# Altium PCB PCB1.PcbDoc (part 1 of 2) (continued)
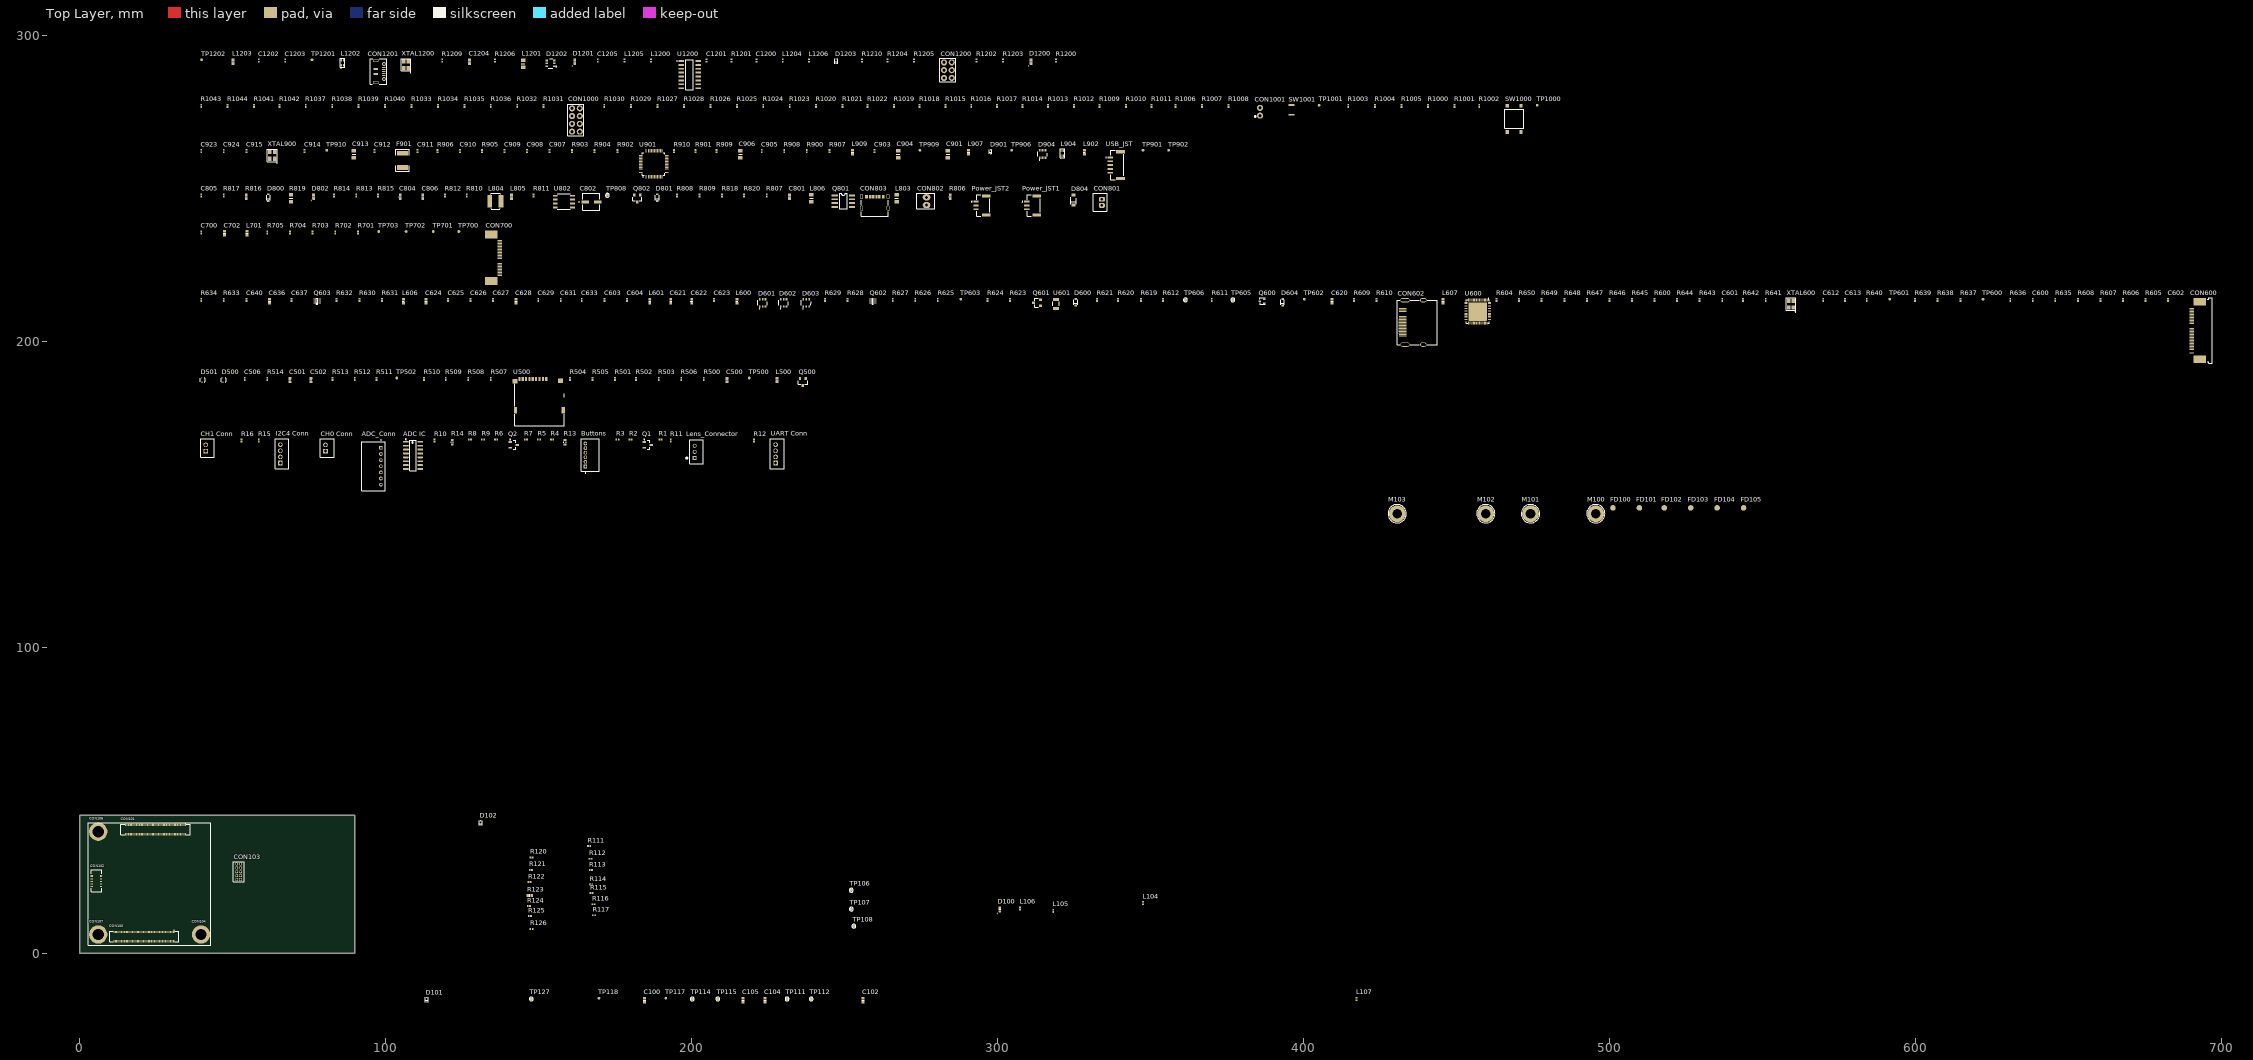
[diagram p0: Top Layer view]
## Components (designator, comment, footprint, x,y, rotation, side; value= is the part's Value field where it differs from the comment)
"ADC IC" "MCP3208-BI/SL" SOIC-SL16_L 108.966,162.687 r0 top
ADC_Conn "S7B-PH-K-S(LF)(SN)" FP-S7B-PH-K-S_LF_SN-MFG 96.012,159.131 r90 top
Buttons "S6B-ZR(LF)(SN)" FP-S6B-ZR_LF_SN-MFG 166.878,162.814 r90 top
C100 "1uF" 0603_CC 184.56,-15.303 r90 top
C102 "22UF 10V 0603" 0603_CC 255.934,-15.303 r90 top
C104 "22UF 10V 0603" 0603_CC 223.93,-15.303 r90 top
C105 "22UF 10V 0603" 0603_CC 216.818,-15.303 r90 top
C500 "1uF" 0603_CC 211.582,187.325 r90 top
C501 "10uF" 0603_CC 68.707,187.325 r90 top
C502 "1uF" 0603_CC 75.565,187.325 r90 top
C506 "22pF" 0402_CC 53.975,187.706 r90 top
C600 "0.1uF" 0402_CC 638.175,213.487 r90 top
C601 "0.1uF" 0402_CC 536.702,213.487 r90 top
C602 "0.1uF" 0402_CC 682.371,213.487 r90 top
C603 "0.1uF" 0402_CC 171.45,213.487 r90 top
C604 "0.1uF" 0402_CC 178.816,213.487 r90 top
C612 "18pF" 0402_CC 569.722,213.487 r90 top
C613 "18pF" 0402_CC 576.834,213.487 r90 top
C620 "22nF %5" 0603_CC 409.194,213.106 r90 top
C621 "10uF" 0603_CC 193.167,213.106 r90 top
C622 "10uF" 0603_CC 200.025,213.106 r90 top
C623 "0.1uF" 0402_CC 207.264,213.487 r90 top
C624 "10uF" 0603_CC 113.157,213.106 r90 top
C625 "0.1uF" 0402_CC 120.396,213.487 r90 top
C626 "0.1uF" 0402_CC 127.762,213.487 r90 top
C627 "0.1uF" 0402_CC 135.128,213.487 r90 top
C628 "10uF" 0603_CC 142.621,213.106 r90 top
C629 "0.1uF" 0402_CC 149.86,213.487 r90 top
C631 "0.1uF" 0402_CC 157.226,213.487 r90 top
C633 "0.1uF" 0402_CC 164.084,213.487 r90 top
C636 "10uF" 0603_CC 62.103,213.106 r90 top
C637 "0.1uF" 0402_CC 69.215,213.487 r90 top
C640 "0.1uF" 0402_CC 54.483,213.487 r90 top
C700 "0.1uF" 0402_CC 39.751,235.585 r90 top
C702 "10uF" 0603_CC 47.371,235.204 r90 top
C801 "22UF 10V 0603" 0603_CC 232.029,247.269 r90 top
C802 "100UF" UWR1A101MCL1GB 167.386,245.491 r0 top
C804 "22UF 10V 0603" 0603_CC 104.775,247.269 r90 top
C805 "6800PF 50V 0402" 0402_CC 39.751,247.65 r90 top
C806 "22UF 10V 0603" 0603_CC 112.141,247.269 r90 top
C901 "10UF" 0805 283.718,261.112 r90 top
C903 "0.1uF" 0402_CC 259.715,262.128 r90 top
C904 "10UF" 0805 267.462,261.112 r90 top
C905 "0.1uF" 0402_CC 222.885,262.128 r90 top
C906 "10UF" 0805 215.9,261.112 r90 top
C907 "0.1uF" 0402_CC 153.543,262.128 r90 top
C908 "0.1uF" 0402_CC 146.177,262.128 r90 top
C909 "100PF" 0402_CC 138.811,262.128 r90 top
C910 "0.1uF" 0402_CC 124.333,262.128 r90 top
C911 "0.1uF" 0402_CC 110.363,262.128 r90 top
C912 "0.1uF" 0402_CC 96.393,262.128 r90 top
C913 "10UF" 0805 89.662,261.112 r90 top
C914 "0.1uF" 0402_CC 73.533,262.128 r90 top
C915 "100PF" 0402_CC 54.483,262.128 r90 top
C923 "18PF-NF" 0402_CC 39.751,262.128 r90 top
C924 "18PF-NF" 0402_CC 47.117,262.128 r90 top
C1200 "0.1uF" 0402_CC 221.107,291.719 r90 top
C1201 "0.1uF" 0402_CC 204.851,291.719 r90 top
C1202 "18PF" 0402_CC 58.547,291.719 r90 top
C1203 "18PF" 0402_CC 67.183,291.719 r90 top
C1204 "1uF" 0603_CC 127.381,291.338 r90 top
C1205 "0.1uF" 0402_CC 169.291,291.719 r90 top
"CH0 Conn" "B2B-PH-K-S(LF)(SN)" JST-B2B-PH-K-S_V 80.899,165.1 r90 top
"CH1 Conn" "B2B-PH-K-S(LF)(SN)" JST-B2B-PH-K-S_V 41.783,165.1 r90 top
CON100 "100POS" "DF40C-100DS- FEMALE" 21.1,5.46 r180 top
CON101 "100POS" "DF40C-100DS- FEMALE" 24.8,40.46 r180 top locked
CON102 "2X10 POS" DF40C-20DS-0.4V(51) 5.5,23.659 r180 top
CON103 "2x5 SMD" "HEADER 2X5 1.27MM THD" 51.35,24.11 r90 top
CON104 "2.5MM" 9774030151R 39.696,6.152 r180 top locked
CON106 "2.5MM" 9774030151R 6.096,39.751 r180 top
CON107 "2.5MM" 9774030151R 6.096,6.152 r180 top
CON600 "CONN FFC TOP 30POS 0.50MM R/A" CON-SFV30R-2STBE1HLF 690.118,196.215 r90 top
CON602 "HDMI TYPE A" CON-L-KLS1-285-1-N-1 433.07,198.882 r90 top
CON700 "24PIN" "24-PIN FPC" 136.652,227.203 r90 top
CON801 "CON-B2B-PH-K-S(LF)(SN)" B2B-PH-K-S 334.01,244.348 r90 top
CON802 "2 PIN" 640456-2 276.733,244.475 r90 top
CON803 "C TYPE, POWER" CUI_UJC-HP-3-SMT-TR 259.842,245.364 r0 top
CON1000 "2x4" "HEADER 2.54 X 4x2" 163.449,268.478 r90 top
CON1001 "2x1" "HEADER 1X2 2.54mm" 385.699,276.225 r90 top
CON1200 "2x3" "HEADER 2.54 X 3x2" 282.448,286.004 r90 top
CON1201 "CON-KLS1-238-0-0-0-R" KLS1-238-0-0-0-R 99.441,290.576 r90 top
D100 "GREEN" 0603_LED 300.676,14.319 r90 top
D101 "DIODE-RB520S30T1G" SOD523 113.44,-15.176 r90 top
D102 "DIODE-RB520S30T1G" SOD523 131.05,42.6 r90 top
D500 "DIODE-DF5A6.2LJE,LM" DF5A6.2LJE,LM 47.117,187.325 r90 top
D501 "DIODE-DF5A6.2LJE,LM" DF5A6.2LJE,LM 40.259,187.325 r90 top
D600 "DIODE" SOD-323 325.501,212.725 r90 top
D601 "DT1042-04SOQ-7" DIODE-DT1042-04SOQ-7 223.393,212.471 r0 top
D602 "DT1042-04SOQ-7" DIODE-DT1042-04SOQ-7 230.251,212.471 r0 top
D603 "DT1042-04SOQ-7" DIODE-DT1042-04SOQ-7 237.617,212.471 r0 top
D604 "DIODE" SOD-323 393.065,212.725 r90 top
D800 "5.2V ZENER" SOD-323 61.722,246.888 r90 top
D801 "15V" SOD-323 188.722,246.888 r90 top
D802 "GREEN" 0603_LED 76.454,247.269 r90 top
D804 "MMSZ5231BT1G" SOD-123 324.739,246.126 r90 top
D901 "ESD5B5.0ST1G" "SOD523 - SZESD" 297.688,261.874 r90 top
D904 "DT1042-04SOQ-7" DIODE-DT1042-04SOQ-7 314.833,261.112 r0 top
D1200 "GREEN" 0603_LED 310.896,291.338 r90 top
D1201 "GREEN" 0603_LED 161.798,291.338 r90 top
D1202 "DT1042-04SOQ-7" DIODE-DT1042-04SOQ-7 153.924,290.957 r90 top
D1203 "DIODE-RB520S30T1G" SOD523 247.269,291.465 r90 top
F901 "PTC" 1812 105.537,259.08 r90 top
FD100 "FD" FD 501.015,145.542 r90 top
FD101 "FD" FD 509.651,145.542 r90 top
FD102 "FD" FD 517.779,145.542 r90 top
FD103 "FD" FD 526.415,145.542 r90 top
FD104 "FD" FD 535.051,145.542 r90 top
FD105 "FD" FD 543.687,145.542 r90 top
"I2C4 Conn" "B4B-PH-K-S(LF)(SN)" JST-B4B-PH-K-S_V 66.167,163.195 r90 top
L104 "0402" 0402_RES 347.5,16.425 r90 top
L105 "0402" 0402_RES 318.15,13.9 r90 top
L106 "0402" 0402_RES 307.28,14.7 r90 top
L107 "0402" 0402_RES 417.224,-14.922 r90 top
L500 "0603" 0603_RES 227.838,187.325 r90 top
L600 "FB 220 OHM" 0603_RES 214.757,213.106 r90 top
L601 "FB 220 OHM" 0603_RES 186.309,213.106 r90 top
L606 "FB 220 OHM" 0603_RES 105.791,213.106 r90 top
L607 "0603" 0603_RES 445.516,213.106 r90 top
L701 "0603" 0603_RES 54.737,235.204 r90 top
L803 "0805" 0805 266.954,246.634 r90 top
L804 "2.2UH 3.5A" IND-NRS5030T2R2NMGJ 135.89,245.872 r0 top
L805 "0603" 0603_RES 141.097,247.269 r90 top
L806 "0805" 0805 239.141,246.634 r90 top
L902 "0603" 0603_RES 328.295,261.747 r90 top
L904 "DUAL 90Ohm" DLW21H 321.056,261.366 r90 top
L907 "120 OHM Ferrite Beads" 0603_RES 290.449,261.747 r90 top
L909 "0603" 0603_RES 252.603,261.747 r90 top
L1200 "0402" 0402_RES 186.69,291.719 r90 top
L1201 "0805" 0805 144.907,290.703 r90 top
L1202 "DUAL 90Ohm" DLW21H 85.852,290.957 r90 top
L1203 "120 OHM Ferrite Beads" 0603_RES 50.165,291.338 r90 top
L1204 "0402" 0402_RES 229.743,291.719 r90 top
L1205 "0402" 0402_RES 178.054,291.719 r90 top
L1206 "0402" 0402_RES 238.379,291.719 r90 top
Lens_Connector "B3B-PH-K-S(LF)(SN)" JST-B3B-PH-K-S-3_V 201.549,163.83 r90 top
M100 "M3" M3 495.427,143.637 r0 top
M101 "M3" M3 474.091,143.637 r0 top
M102 "M3" M3 459.486,143.637 r0 top
M103 "M3" M3 430.53,143.637 r0 top
Power_JST1 "BM03B-GHS-TBT(LF)(SN)(N)" FP-BM03B-GHS-TBT_LF_SN-MFG 311.785,244.348 r90 top
Power_JST2 "BM03B-GHS-TBT(LF)(SN)(N)" FP-BM03B-GHS-TBT_LF_SN-MFG 295.275,244.348 r90 top
Q1 "PNP" SOT-23B_N 185.674,166.116 r0 top
Q2 "PNP" SOT-23B_N 141.859,166.116 r0 top
Q500 "DMG2305UX-13" SOT23 236.347,186.69 r90 top
Q600 "MOS-RU1J002YNTCL" SC-85-3/SOT-323FL 386.334,213.106 r90 top
Q601 "NPN" SOT23 312.801,212.598 r0 top
Q602 "SSM6N37FU" SOT-363 259.207,213.106 r90 top
Q603 "SSM6N37FU" SOT-363 77.597,213.106 r90 top
Q801 "DUAL P-CH" "SO-8 - DUAL MOS - NAMED" 249.555,245.745 r0 top
Q802 "PNP" SOT23 182.245,246.634 r90 top
R1 "0402 330R 5%" 0402_RES 189.738,167.894 r0 top
R2 "0402 1000R 5%" 0402_RES 180.086,167.894 r0 top
R3 "0402 330R 5%" 0402_RES 175.768,167.894 r0 top
R4 "0402 1000R 5%" 0402_RES 154.432,167.894 r0 top
R5 "0402 330R 5%" 0402_RES 150.114,167.894 r0 top
R6 "0402 1000R 5%" 0402_RES 136.144,167.894 r0 top
R7 "0402 330R 5%" 0402_RES 145.796,167.894 r0 top
R8 "0402 1000R 5%" 0402_RES 127.508,167.894 r0 top
R9 "0402 330R 5%" 0402_RES 131.826,167.894 r0 top
R10 "0402 1000R 5%" 0402_RES 115.951,167.513 r90 top
R11 "0402 330R 5%" 0402_RES 193.167,167.513 r90 top
R12 "0402 330R 5%" 0402_RES 220.345,167.513 r90 top
R13 "Res3" J1-0603 158.623,167.005 r90 top value=10K
R14 "Res3" J1-0603 121.793,167.005 r90 top value=10K
R15 "0402 330R 5%" 0402_RES 58.547,167.513 r90 top
R16 "0402 330R 5%" 0402_RES 52.959,167.513 r90 top
R100 "4.7K" 0402_RES 29.358,2.325 r270 bottom
R101 "1K" 0402_RES 28.224,2.325 r270 bottom
R102 "4.7K" 0402_RES 27.089,2.325 r270 bottom
R103 "4.7K" 0402_RES 25.954,2.325 r270 bottom
R104 "4.7K" 0402_RES 24.819,2.325 r270 bottom
R105 "4.7K" 0402_RES 23.685,2.325 r270 bottom
R106 "4.7K" 0402_RES 22.55,2.325 r270 bottom
R111 "0402 330R 5%" 0402_RES 166.475,35.05 r180 top
R112 "0402 330R 5%" 0402_RES 166.925,30.9 r180 top
R113 "0402 330R 5%" 0402_RES 167.05,27.2 r180 top
R114 "0402 330R 5%" 0402_RES 167.15,22.5 r180 top
R115 "0R" 0402_RES 167.35,19.65 r180 top
R116 "0402 330R 5%" 0402_RES 167.9,16.05 r180 top
R117 "0402 2K2 1%" 0402_RES 168.1,12.45 r180 top
R120 "10K" 0402_RES 147.65,31.35 r180 top
R121 "10K" 0402_RES 147.45,27.25 r180 top
R122 "10K" 0402_RES 147,23.3 r180 top
R123 "100 R" 0603_RES 147.05,18.9 r180 top
R124 "0R" 0402_RES 146.8,15.4 r180 top
R125 "0R" 0402_RES 147.125,12.2 r180 top
R126 "0R" 0402_RES 147.675,8 r180 top
R500 "47K" 0402_RES 203.962,187.706 r90 top
R501 "47K" 0402_RES 175.006,187.706 r90 top
R502 "47K" 0402_RES 181.864,187.706 r90 top
R503 "47K" 0402_RES 189.23,187.706 r90 top
R504 "47K" 0402_RES 160.274,187.706 r90 top
R505 "47K" 0402_RES 167.64,187.706 r90 top
R506 "47K" 0402_RES 196.596,187.706 r90 top
R507 "22R %5 0402" 0402_RES 134.366,187.706 r90 top
R508 "22R %5 0402" 0402_RES 127,187.706 r90 top
R509 "22R %5 0402" 0402_RES 119.634,187.706 r90 top
R510 "22R %5 0402" 0402_RES 112.522,187.706 r90 top
R511 "22R %5 0402" 0402_RES 97.028,187.706 r90 top
R512 "22R %5 0402" 0402_RES 89.916,187.706 r90 top
R513 "22R %5 0402" 0402_RES 82.677,187.706 r90 top
R514 "100K" 0402_RES 61.341,187.706 r90 top
R600 "510K" 0402_RES 514.604,213.487 r90 top
R604 "0R" 0402_RES 462.915,213.487 r90 top
R605 "0R" 0402_RES 675.005,213.487 r90 top
R606 "0R" 0402_RES 667.639,213.487 r90 top
R607 "0R" 0402_RES 660.273,213.487 r90 top
R608 "0R" 0402_RES 652.907,213.487 r90 top
R609 "3K 1% 0402" 0402_RES 416.433,213.487 r90 top
R610 "3K 1% 0402" 0402_RES 423.799,213.487 r90 top
R611 "100K" 0402_RES 369.951,213.487 r90 top
R612 "100K" 0402_RES 353.949,213.487 r90 top
R619 "10K" 0402_RES 346.837,213.487 r90 top
R620 "0R" 0402_RES 339.344,213.487 r90 top
R621 "0R" 0402_RES 332.486,213.487 r90 top
R623 "100K" 0402_RES 304.038,213.487 r90 top
R624 "100K" 0402_RES 296.672,213.487 r90 top
R625 "10K" 0402_RES 280.416,213.487 r90 top
R626 "10K" 0402_RES 273.05,213.487 r90 top
R627 "100K" 0402_RES 265.684,213.487 r90 top
R628 "10K" 0402_RES 250.952,213.487 r90 top
R629 "10K" 0402_RES 243.586,213.487 r90 top
R630 "10K" 0402_RES 91.44,213.487 r90 top
R631 "10K" 0402_RES 98.806,213.487 r90 top
R632 "10K" 0402_RES 83.947,213.487 r90 top
R633 "10K" 0402_RES 47.117,213.487 r90 top
R634 "10K" 0402_RES 39.751,213.487 r90 top
R635 "0R" 0402_RES 645.541,213.487 r90 top
R636 "0R" 0402_RES 630.809,213.487 r90 top
R637 "0R" 0402_RES 614.553,213.487 r90 top
R638 "0R" 0402_RES 607.06,213.487 r90 top
R639 "0R" 0402_RES 599.694,213.487 r90 top
R640 "0R" 0402_RES 583.946,213.487 r90 top
R641 "0R" 0402_RES 550.926,213.487 r90 top
R642 "0R" 0402_RES 543.56,213.487 r90 top
R643 "0R" 0402_RES 529.336,213.487 r90 top
R644 "0R" 0402_RES 521.97,213.487 r90 top
R645 "0R" 0402_RES 507.238,213.487 r90 top
R646 "0R" 0402_RES 499.872,213.487 r90 top
R647 "0R" 0402_RES 492.506,213.487 r90 top
R648 "0R" 0402_RES 485.14,213.487 r90 top
R649 "0R" 0402_RES 477.647,213.487 r90 top
R650 "0R" 0402_RES 470.281,213.487 r90 top
R701 "0R" 0402_RES 90.932,235.585 r90 top
R702 "0R" 0402_RES 83.566,235.585 r90 top
R703 "0R-NF" 0402_RES 76.073,235.585 r90 top
R704 "0R" 0402_RES 68.707,235.585 r90 top
R705 "0R-NF" 0402_RES 61.341,235.585 r90 top
R806 "270 OHM" 0603_RES 284.48,247.269 r90 top
R807 "4.7K" 0402_RES 224.536,247.65 r90 top
R808 "4.7K" 0402_RES 195.199,247.65 r90 top
R809 "0402 2K2 1%" 0402_RES 202.565,247.65 r90 top
R810 "4.7K" 0402_RES 126.492,247.65 r90 top
R811 "4.7K" 0402_RES 148.336,247.65 r90 top
R812 "4.7K" 0402_RES 119.38,247.65 r90 top
R813 "0402 330R 5%" 0402_RES 90.424,247.65 r90 top
R814 "24.9K 1% 0402" 0402_RES 83.185,247.65 r90 top
R815 "4.7K" 0402_RES 97.536,247.65 r90 top
R816 "4.99K %1" 0603_RES 54.483,247.269 r90 top
R817 "7.87K 1% 0402" 0402_RES 47.117,247.65 r90 top
R818 "4.7K" 0402_RES 209.931,247.65 r90 top
R819 "10K" 0805 69.088,246.634 r90 top
R820 "1K" 0402_RES 217.043,247.65 r90 top
R900 "10K" 0402_RES 237.617,262.128 r90 top
R901 "10K" 0402_RES 201.295,262.128 r90 top
R902 "100K" 0402_RES 175.768,262.128 r90 top
R903 "100K" 0402_RES 160.909,262.128 r90 top
R904 "100K" 0402_RES 168.275,262.128 r90 top
R905 "0R-NF" 0402_RES 131.445,262.128 r90 top
R906 "2.7K" 0402_RES 116.967,262.128 r90 top
R907 "0R-NF" 0402_RES 244.983,262.128 r90 top
R908 "0R-NF" 0402_RES 230.251,262.128 r90 top
R909 "0R-NF" 0402_RES 208.153,262.128 r90 top
R910 "0R" 0402_RES 194.183,262.128 r90 top
R1000 "4.7K" 0402_RES 440.563,276.86 r90 top
R1001 "4.7K" 0402_RES 449.199,276.86 r90 top
R1002 "4.7K" 0402_RES 457.327,276.86 r90 top
R1003 "100K" 0402_RES 414.528,276.86 r90 top
R1004 "100K" 0402_RES 423.291,276.86 r90 top
R1005 "100K" 0402_RES 431.927,276.86 r90 top
R1006 "4.7K" 0402_RES 358.14,276.86 r90 top
R1007 "4.7K" 0402_RES 366.776,276.86 r90 top
R1008 "4.7K" 0402_RES 375.412,276.86 r90 top
R1009 "100K" 0402_RES 333.248,276.86 r90 top
R1010 "100K" 0402_RES 341.884,276.86 r90 top
R1011 "100K" 0402_RES 350.266,276.86 r90 top
R1012 "4.7K" 0402_RES 324.866,276.86 r90 top
R1013 "4.7K" 0402_RES 316.484,276.86 r90 top
R1014 "4.7K" 0402_RES 308.102,276.86 r90 top
R1015 "4.7K" 0402_RES 282.956,276.86 r90 top
R1016 "4.7K" 0402_RES 291.338,276.86 r90 top
R1017 "4.7K" 0402_RES 299.72,276.86 r90 top
R1018 "100K" 0402_RES 274.447,276.86 r90 top
R1019 "4.7K" 0402_RES 266.065,276.86 r90 top
R1020 "100K" 0402_RES 240.665,276.86 r90 top
R1021 "100K" 0402_RES 249.301,276.86 r90 top
R1022 "100K" 0402_RES 257.429,276.86 r90 top
R1023 "4.7K" 0402_RES 232.029,276.86 r90 top
R1024 "4.7K" 0402_RES 223.393,276.86 r90 top
R1025 "100K" 0402_RES 214.757,276.86 r90 top
R1026 "4.7K" 0402_RES 206.121,276.86 r90 top
R1027 "100K" 0402_RES 188.849,276.86 r90 top
R1028 "100K" 0402_RES 197.485,276.86 r90 top
R1029 "100K" 0402_RES 180.213,276.86 r90 top
R1030 "4.7K" 0402_RES 171.45,276.86 r90 top
R1031 "4.7K" 0402_RES 151.638,276.86 r90 top
R1032 "4.7K" 0402_RES 143.002,276.86 r90 top
R1033 "4.7K" 0402_RES 108.458,276.86 r90 top
R1034 "4.7K" 0402_RES 117.094,276.86 r90 top
R1035 "4.7K" 0402_RES 125.73,276.86 r90 top
R1036 "4.7K" 0402_RES 134.366,276.86 r90 top
R1037 "100K" 0402_RES 73.914,276.86 r90 top
R1038 "100K" 0402_RES 82.55,276.86 r90 top
R1039 "100K" 0402_RES 91.186,276.86 r90 top
R1040 "100K" 0402_RES 99.822,276.86 r90 top
R1041 "4.7K" 0402_RES 57.023,276.86 r90 top
R1042 "4.7K" 0402_RES 65.278,276.86 r90 top
R1043 "100K" 0402_RES 39.751,276.86 r90 top
R1044 "100K" 0402_RES 48.387,276.86 r90 top
R1200 "1K" 0402_RES 319.024,291.719 r90 top
R1201 "1K" 0402_RES 212.979,291.719 r90 top
R1202 "162 OHM 1% 0402" 0402_RES 293.116,291.719 r90 top
R1203 "162 OHM 1% 0402" 0402_RES 301.752,291.719 r90 top
R1204 "162 OHM 1% 0402" 0402_RES 264.033,291.719 r90 top
R1205 "162 OHM 1% 0402" 0402_RES 272.669,291.719 r90 top
R1206 "1K" 0402_RES 135.763,291.719 r90 top
R1209 "0402 2K2 1%" 0402_RES 118.491,291.719 r90 top
R1210 "1K" 0402_RES 255.651,291.719 r90 top
SW1000 "SWITCH" "BUTTON 6x6" 466.471,268.351 r90 top
SW1001 "SWITCH" "3.00mm x 2.00mm SWITCH" 395.986,275.59 r90 top
TP100 "TEST POINT 35" testpoint_35mil 31.1,9.35 r270 bottom
TP101 "TEST POINT 35" testpoint_35mil 28.92,9.35 r270 bottom
TP102 "TEST POINT 35" testpoint_35mil 26.74,9.35 r270 bottom
TP103 "TEST POINT 35" testpoint_35mil 24.56,9.35 r270 bottom
TP104 "TEST POINT 35" testpoint_35mil 22.38,9.35 r270 bottom
TP105 "TEST POINT 35" testpoint_35mil 20.2,9.35 r270 bottom
TP106 "TEST POINT 35" testpoint_35mil 252.15,20.6 r180 top
TP107 "TEST POINT 35" testpoint_35mil 252.15,14.45 r180 top
TP108 "TEST POINT 35" testpoint_35mil 253,8.9 r90 top
TP111 "TEST POINT 35" testpoint_35mil 231.169,-14.922 r90 top
TP112 "TEST POINT 35" testpoint_35mil 239.043,-14.922 r90 top
TP114 "TEST POINT 35" testpoint_35mil 200.181,-14.922 r90 top
TP115 "TEST POINT 35" testpoint_35mil 208.563,-14.922 r90 top
TP117 "TEST POINT 15" testpoint_15 191.545,-14.668 r90 top
TP118 "TEST POINT 15" testpoint_15 169.701,-14.668 r90 top
TP127 "TEST POINT 35" testpoint_35mil 147.603,-14.922 r90 top
TP500 "TEST POINT 15" testpoint_15 218.821,187.96 r90 top
TP502 "TEST POINT 15" testpoint_15 103.632,187.96 r90 top
TP600 "TEST POINT 15" testpoint_15 621.919,213.741 r90 top
TP601 "TEST POINT 15" testpoint_15 591.439,213.741 r90 top
TP602 "TEST POINT 15" testpoint_15 400.177,213.741 r90 top
TP603 "TEST POINT 15" testpoint_15 287.909,213.741 r90 top
TP605 "TEST POINT 35" testpoint_35mil 376.809,213.487 r90 top
TP606 "TEST POINT 35" testpoint_35mil 361.315,213.487 r90 top
TP700 "TEST POINT 15" testpoint_15 123.952,235.839 r90 top
TP701 "TEST POINT 15" testpoint_15 115.57,235.839 r90 top
TP702 "TEST POINT 15" testpoint_15 106.68,235.839 r90 top
TP703 "TEST POINT 15" testpoint_15 97.79,235.839 r90 top
TP808 "TEST POINT 35" testpoint_35mil 172.466,247.65 r90 top
TP901 "TEST POINT 15" testpoint_15 347.472,262.382 r90 top
TP902 "TEST POINT 15" testpoint_15 355.854,262.382 r90 top
TP906 "TEST POINT 15" testpoint_15 304.546,262.382 r90 top
TP909 "TEST POINT 15" testpoint_15 274.574,262.382 r90 top
TP910 "TEST POINT 15" testpoint_15 80.772,262.382 r90 top
TP1000 "TEST POINT 15" testpoint_15 476.25,277.114 r90 top
TP1001 "TEST POINT 15" testpoint_15 405.003,277.114 r90 top
TP1201 "TEST POINT 15" testpoint_15 75.946,291.973 r90 top
TP1202 "TEST POINT 15" testpoint_15 39.878,291.973 r90 top
U500 "MICRO SD" L-KLS1-TF-003-H1.85-R 153.289,177.038 r0 top
U600 "Single-Channel MIPI® DSI Bridge to LVDS/HDMI" IC-LT8912B 456.819,209.677 r0 top
U601 "PTC" 0ZCJ0025AF2E 319.024,210.693 r90 top
U802 "NCP3170ADR2G" IC-NCP3170ADR2G 157.734,245.872 r0 top
U901 "FE1.1" LQFP48 187.579,257.937 r0 top
U1200 "CH340G" CH340G 199.39,287.782 r0 top
"UART Conn" "B4B-PH-K-S(LF)(SN)" JST-B4B-PH-K-S_V 227.965,163.195 r90 top
USB_JST "BM05B-GVHS-TB(LF)(SN)" FP-BM05B-GVHS-TB_LF_SN-MFG 339.09,257.556 r90 top
XTAL600 "XTAL-TSX-3225 25.0000MF10P-C0" XTLOSC4_3P2X2P5MM_SM 559.181,212.09 r90 top
XTAL900 "CRYSTAL 12.MHZ 18PF SMD" XTLOSC4_3P2X2P5MM_SM 62.992,260.731 r90 top
XTAL1200 "CRYSTAL 12.MHZ 18PF SMD" XTLOSC4_3P2X2P5MM_SM 106.68,290.322 r90 top

## Footprints (in the part's own frame and the unit in brackets; to place one, negate y for a bottom-side part, rotate by r counter-clockwise, add the part's x,y. Pads: shape width x height; smd on the part's side, far side on the other; paste and mask are expansions set on the pad)
0ZCJ0025AF2E [mil] "PTC RESET FUSE 24V 250MA 1206"
  rect 39x75 smd paste+0 mask+1.97: 1(0,0) 2(118,0)
  silkscreen extent 32,-40 86,41, body extent -7,-36 127,36, height 63
"3.00mm x 2.00mm SWITCH" [mm]
  rect 0.55x1.8 smd: 1(-1.6,0) 2(1.6,0)
  body extent -1.75,-1 1.75,1.08, height 0.55
"24-PIN FPC" [mm] "FPC/FFC 0.5MM SMT"
  rect 2.65x4.1 smd mask+0.051: 0(-7.532,2.075) 0(7.659,2.075)
  rect 0.3x1.4 smd mask+0.051: 1(-5.75,-0.624) 2(-5.25,-0.624) 3(-4.75,-0.624) 4(-4.25,-0.624) 5(-3.75,-0.624) 6(-3.25,-0.624) 7(-2.75,-0.624) 8(-2.25,-0.624) 9(-1.75,-0.624) 10(-1.25,-0.624) 11(-0.75,-0.624) 12(-0.25,-0.624) 13(0.25,-0.624) 14(0.75,-0.624) 15(1.25,-0.624) 16(1.75,-0.624) 17(2.25,-0.624) 18(2.75,-0.624) 19(3.25,-0.624) 20(3.75,-0.624) 21(4.25,-0.624) 22(4.75,-0.624) 23(5.25,-0.624) 24(5.75,-0.624)
  body extent -8.75,-1.26 8.75,4.14, height 2.02
0402_CC [mil]
  rect 22x24 smd mask+2: 1(-14.54,-0.81) 2(14.98,-0.81)
  body extent -20,-10 20,10, height 21
0402_RES [mil]
  rect 22x24 smd mask+2: 1(-14.76,0) 2(14.76,0)
  body extent -20,-10 20,10, height 14
0603_CC [mil]
  rect 32x37 smd: 1(-25.9,0.1) 2(25.28,0.1)
  silkscreen extent 0,-15 0,16, body extent -39,-15 39,16, height 31
0603_LED [mil]
  rect 32x37 smd: 1(-25.9,0.1) 2(25.28,0.1)
  silkscreen extent 0,-15 0,16, body extent -33,-18 33,18, height 35
0603_RES [mil]
  rect 32x37 smd mask+2: 1(-25.59,0) 2(25.59,0)
  silkscreen extent 0,-15 0,16, body extent -31,-16 32,16, height 18
0805 [mm] "Chip 0805, 2-Leads, Body 2.0 x 1.25mm"
  rect 1.15x1.45 smd mask+0.025: 1(-1.15,0) 2(1.15,0)
  silkscreen extent 0,-0.58 0,0.58, body extent -1.25,-0.62 1.25,0.62, height 0.79
1812 [mil] "Chip 1812, 2-Leads, Body 4.2 x 2.5mm"
  rect 60x141.73 smd: 1(-92.5,0) 2(92.5,0)
  silkscreen extent -142,-85 142,85, body extent -94,-69 92,68
640456-2 [mm]
  oval 2x2.5 hole 1: 1(0,0) 2(2.54,0)
  silkscreen extent -1.27,-2.69 3.81,3.18, body extent -1.3,-2.69 3.78,3.15, height 9.99
9774030151R [mm]
  round 6 / inner round 6 / far side oval 5x4.7 hole 3.7 mask+0: 0(0,0)
  body extent -2.55,-2.55 2.55,2.55, height 3
B2B-PH-K-S [mm] "2MM 2POS VERT JST"
  rrect50% 1.5x2 hole 0.8 mask+0.051: 1(0,0) 2(2,0)
  silkscreen extent -1.95,-1.7 3.95,2.8, body extent -1.92,-1.68 3.98,2.82, height 6.2
"BUTTON 6x6" [mm]
  rect 1.2x1 smd mask+0.051: 1(0,0) 2(8.6,0) 3(0,-4.5) 4(8.6,-4.5)
  silkscreen extent 1.22,-5.35 7.42,0.85, body extent -0.18,-5.27 8.82,0.73, height 4.3
CH340G [mm]
  rect 1.8x0.6 smd: 1(-2.752,3.779) 2(-2.752,2.509) 3(-2.752,1.239) 4(-2.752,-0.031) 5(-2.752,-1.301) 6(-2.752,-2.571) 7(-2.752,-3.841) 8(-2.752,-5.111) 9(2.748,-5.111) 10(2.748,-3.841) 11(2.748,-2.571) 12(2.748,-1.301) 13(2.748,-0.031) 14(2.748,1.239) 15(2.748,2.509) 16(2.748,3.779)
  silkscreen extent -4.28,-5.67 1.12,4.15, body extent -2.3,-5.62 2.17,4.28, height 1.75
CON-L-KLS1-285-1-N-1 [mm]
  oval 0.28x2.6 smd: 1(11.75,0.759) 2(11.25,0.759) 3(10.75,0.759) 4(10.25,0.759) 5(9.75,0.759) 6(9.25,0.759) 7(8.75,0.759) 8(8.25,0.759) 9(7.75,0.759) 10(7.25,0.759) 11(6.75,0.759) 12(6.25,0.759) 13(5.75,0.759) 14(5.25,0.759) 15(4.75,0.759) 16(4.25,0.759) 17(3.75,0.759) 18(3.25,0.759) 19(2.75,0.759)
  oval 1.4x3 hole 0.8 slot 2.5 at 90 deg: G1(0,0)
  oval 1.4x2.1 hole 0.8 slot 1.5 at 90 deg: G2(0,-6) G3(14.5,-6)
  oval 1.4x3.1 hole 0.8 slot 2.5 at 90 deg: G4(14.5,0)
  silkscreen extent 0,-10.5 14.5,2.5, body extent -0.24,-10.47 14.76,1.68, height 6.28
CON-SFV30R-2STBE1HLF [mm]
  rect 2.5x4.1 smd mask+0.051: 0(-2.136,-2.66) 0(16.636,-2.66)
  rect 0.3x1.4 smd mask+0.05: 1(-0.003,-0.001) 2(0.5,0) 3(1,0) 4(1.5,0) 5(2,0) 6(2.5,0) 7(3,0) 8(3.5,0) 9(4,0) 10(4.5,0) 11(5,0) 12(5.5,0) 13(6,0) 14(6.5,0) 15(7,0) 16(7.5,0) 17(8,0) 18(8.5,0) 19(9,0) 20(9.5,0) 21(10,0) 22(10.5,0) 23(11,0) 24(11.5,0) 25(12,0) 26(12.5,0) 27(13,0) 28(13.5,0) 29(14,0) 30(14.5,0)
  silkscreen extent -3.5,-6.78 17.98,-5, body extent -3,-4.45 17.5,0.45, height 1.92
CUI_UJC-HP-3-SMT-TR [mm]
  rect 0.7x1.15 smd: A5(-0.5,1.903) B5(0.5,1.903)
  rect 0.8x1.15 smd: A9(1.52,1.903) B9(-1.52,1.903)
  rect 0.9x1.15 smd: A12(2.75,1.903) B12(-2.75,1.903)
  oval 1x1.7 hole 0.5 slot 1.2 at 90 deg mask+0.051: S1(-4.32,1.903) S2(4.32,1.903) S3(-4.32,-1.903) S4(4.32,-1.897)
  silkscreen extent -4.47,-4.5 4.47,0.73, body extent -4.47,-4.32 4.47,2.58, height 3.25
DF5A6.2LJE,LM [mm]
  rect 0.55x0.3 smd mask+0.051: 1(-0.75,0.5) 2(-0.75,0) 3(-0.75,-0.5) 4(0.75,-0.5) 5(0.75,0.5)
  silkscreen extent -0.6,-0.8 0.6,0.8, body extent -0.8,-0.79 0.8,0.81, height 0.45
DF40C-20DS-0.4V(51) [mil]
  rect 28x8 smd mask+2: 1(-60.63,-70.87) 2(60.63,-70.87) 3(-60.63,-55.12) 4(60.63,-55.12) 5(-60.63,-39.37) 6(60.63,-39.37) 7(-60.63,-23.62) 8(60.63,-23.62) 9(-60.63,-7.87) 10(60.63,-7.87) 11(-60.63,7.87) 12(60.63,7.87) 13(-60.63,23.62) 14(60.63,23.62) 15(-60.63,39.37) 16(60.63,39.37) 17(-60.63,55.12) 18(60.63,55.12) 19(-60.63,70.87) 20(60.63,70.87)
  silkscreen extent -69,-141 69,141, body extent -69,-130 64,130, height 56
"DF40C-100DS- FEMALE" [mm]
  rect 0.2x0.7 smd mask+0.025: 1(-9.8,-1.54) 2(-9.8,1.54) 3(-9.4,-1.54) 4(-9.4,1.54) 5(-9,-1.54) 6(-9,1.54) 7(-8.6,-1.54) 8(-8.6,1.54) 9(-8.2,-1.54) 10(-8.2,1.54) 11(-7.8,-1.54) 12(-7.8,1.54) 13(-7.4,-1.54) 14(-7.4,1.54) 15(-7,-1.54) 16(-7,1.54) 17(-6.6,-1.54) 18(-6.6,1.54) 19(-6.2,-1.54) 20(-6.2,1.54) 21(-5.8,-1.54) 22(-5.8,1.54) 23(-5.4,-1.54) 24(-5.4,1.54) 25(-5,-1.54) 26(-5,1.54) 27(-4.6,-1.54) 28(-4.6,1.54) 29(-4.2,-1.54) 30(-4.2,1.54) 31(-3.8,-1.54) 32(-3.8,1.54) 33(-3.4,-1.54) 34(-3.4,1.54) 35(-3,-1.54) 36(-3,1.54) 37(-2.6,-1.54) 38(-2.6,1.54) 39(-2.2,-1.54) 40(-2.2,1.54) 41(-1.8,-1.54) 42(-1.8,1.54) 43(-1.4,-1.54) 44(-1.4,1.54) 45(-1,-1.54) 46(-1,1.54) 47(-0.6,-1.54) 48(-0.6,1.54) 49(-0.2,-1.54) 50(-0.2,1.54) 51(0.2,-1.54) 52(0.2,1.54) 53(0.6,-1.54) 54(0.6,1.54) 55(1,-1.54) 56(1,1.54) 57(1.4,-1.54) 58(1.4,1.54) 59(1.8,-1.54) 60(1.8,1.54) 61(2.2,-1.54) 62(2.2,1.54) 63(2.6,-1.54) 64(2.6,1.54) 65(3,-1.54) 66(3,1.54) 67(3.4,-1.54) 68(3.4,1.54) 69(3.8,-1.54) 70(3.8,1.54) 71(4.2,-1.54) 72(4.2,1.54) 73(4.6,-1.54) 74(4.6,1.54) 75(5,-1.54) 76(5,1.54) 77(5.4,-1.54) 78(5.4,1.54) 79(5.8,-1.54) 80(5.8,1.54) 81(6.2,-1.54) 82(6.2,1.54) 83(6.6,-1.54) 84(6.6,1.54) 85(7,-1.54) 86(7,1.54) 87(7.4,-1.54) 88(7.4,1.54) 89(7.8,-1.54) 90(7.8,1.54) 91(8.2,-1.54) 92(8.2,1.54) 93(8.6,-1.54) 94(8.6,1.54) 95(9,-1.54) 96(9,1.54) 97(9.4,-1.54) 98(9.4,1.54) 99(9.8,-1.54) 100(9.8,1.54)
  Top Layer pour cut-out: 9.906,-1.194 9.906,-1.193 9.906,-0.75 -9.906,-0.75 -9.906,-0.75 -9.906,-1.194
  Top Layer pour cut-out: -9.906,1.194 -9.906,1.193 -9.906,0.75 9.906,0.75 9.906,0.75 9.906,1.194
  silkscreen extent -11.3,-2.11 11.3,1.7, body extent -11.3,-1.68 11.3,1.7, height 1.44
DIODE-DT1042-04SOQ-7 [mm]
  rrect0% 0.55x0.8 smd mask+0.05: 1(-1.143,-1.143) 2(-0.193,-1.143) 3(0.757,-1.143) 4(0.757,1.227) 5(-0.193,1.227) 6(-1.143,1.227)
  silkscreen extent -1.76,-1.92 1.38,0.84, body extent -1.74,-1.11 1.36,1.39, height 1.3
DLW21H [mm]
  rect 0.85x0.4 smd: 1(-0.826,0.381) 2(0.826,0.381) 3(0.826,-0.381) 4(-0.826,-0.381)
  silkscreen extent -1.82,-0.76 1.45,0.69, body extent -1.27,-0.76 1.27,0.76, height 1
FD [mm] "Fiducial Diameter 20 mil"
  round 1.8 smd paste-1.8 mask+0: FD-1(0,0)
  Top Layer pour cut-out: 0,1.194 -0.118,1.194 -0.348,1.148 -0.565,1.058 -0.761,0.927 -0.927,0.761 -1.058,0.565 -1.148,0.348 -1.194,0.118 -1.194,0 -1.194,-0.118 -1.148,-0.348 -1.058,-0.565 -0.927,-0.761 -0.761,-0.927 -0.565,-1.058 -0.348,-1.148 -0.118,-1.194 0,-1.194 0.118,-1.194 0.348,-1.148 0.565,-1.058 0.761,-0.927 0.927,-0.761 1.058,-0.565 1.148,-0.348 1.194,-0.118 1.194,0 1.194,0.118 1.148,0.348 1.058,0.565 0.927,0.761 0.761,0.927 0.565,1.058 0.348,1.148 0.118,1.194 0,1.194
FP-BM03B-GHS-TBT_LF_SN-MFG [mm]
  rect 0.6x1.7 smd paste+0 mask+0: 1(1.25,2.325) 2(0,2.325) 3(-1.25,2.325)
  rect 1x2.8 smd paste+0 mask+0: 4(-3.1,-1.025) 5(3.1,-1.025)
  silkscreen extent -3.5,-2.12 3.5,3.85, body extent -3.7,-2.52 3.7,3.27, height 0.25
FP-BM05B-GVHS-TB_LF_SN-MFG [mm]
  rect 0.6x1.7 smd paste+0 mask+0: 1(2.5,2.325) 2(1.25,2.325) 3(0,2.325) 4(-1.25,2.325) 5(-2.5,2.325)
  rect 1x2.8 smd paste+0 mask+0: 6(-4.35,-1.025) 7(4.35,-1.025)
  silkscreen extent -4.75,-2.12 4.75,3.85, body extent -4.95,-2.52 4.95,3.27, height 0.25
FP-S6B-ZR_LF_SN-MFG [mm]
  rect 1.2x1.2 hole 0.7 paste-1000 mask+0: 1(-3.75,1.6)
  round 1.2 hole 0.7 paste-1000 mask+0: 2(-2.25,1.6) 3(-0.75,1.6) 4(0.75,1.6) 5(2.25,1.6) 6(3.75,1.6)
  silkscreen extent -5.97,-3 5.25,3, body extent -5.35,-3.1 5.35,3.1, height 0.25
FP-S7B-PH-K-S_LF_SN-MFG [mm]
  rect 1.2x1.2 hole 0.7 paste-1000 mask+0: 1(6,-2.45)
  round 1.2 hole 0.7 paste-1000 mask+0: 2(4,-2.45) 3(2,-2.45) 4(0,-2.45) 5(-2,-2.45) 6(-4,-2.45) 7(-6,-2.45)
  silkscreen extent -7.95,-3.8 8.67,3.8, body extent -8.05,-3.9 8.05,3.9, height 0.25
"HEADER 1X2 2.54mm" [mm]
  round 2 hole 1.1: 1(-2.54,0) 2(0,0)
  silkscreen extent -2.99,1.32 -2.59,1.72, body extent -3.78,-1.27 1.3,1.27, height 2.04
"HEADER 2.54 X 3x2" [mm]
  round 2 hole 1.1: 1(0,-2.54) 2(0,0) 3(2.54,-2.54) 4(2.54,0) 5(5.08,-2.54) 6(5.08,0)
  silkscreen extent -1.3,-3.86 6.37,1.33, body extent -1.24,-3.81 6.31,1.27, height 2.04
"HEADER 2.54 X 4x2" [mm]
  round 2 hole 1.1: 1(0,0) 2(0,2.54) 3(2.54,0) 4(2.54,2.54) 5(5.08,0) 6(5.08,2.54) 7(7.62,0) 8(7.62,2.54)
  silkscreen extent -1.33,-1.35 8.99,3.89, body extent -1.24,-1.27 8.92,3.81, height 2.04
"HEADER 2X5 1.27MM THD" [mm]
  round 1 hole 0.65: 1(0,0) 2(0,-1.27) 3(1.27,0) 4(1.27,-1.27) 5(2.54,0) 6(2.54,-1.27) 7(3.81,0) 8(3.81,-1.27) 9(5.08,0) 10(5.08,-1.27)
  silkscreen extent -0.71,-2.42 5.8,1.16, body extent -0.63,-2.35 5.72,1.1, height 4
IC-LT8912B [mm]
  oval 0.2x1 smd mask+0: 1(3,3.8) 2(2.6,3.8) 3(2.2,3.8) 4(1.8,3.8) 5(1.4,3.8) 6(1,3.8) 7(0.6,3.8) 8(0.2,3.8) 9(-0.2,3.8) 10(-0.6,3.8) 11(-1,3.8) 12(-1.4,3.8) 13(-1.8,3.8) 14(-2.2,3.8) 15(-2.6,3.8) 16(-3,3.8) 33(-3,-3.8) 34(-2.6,-3.8) 35(-2.2,-3.8) 36(-1.8,-3.8) 37(-1.4,-3.8) 38(-1,-3.8) 39(-0.6,-3.8) 40(-0.2,-3.8) 41(0.2,-3.8) 42(0.6,-3.8) 43(1,-3.8) 44(1.4,-3.8) 45(1.8,-3.8) 46(2.2,-3.8) 47(2.6,-3.8) 48(3,-3.8)
  oval 1x0.2 smd mask+0: 17(-3.8,3) 18(-3.8,2.6) 19(-3.8,2.2) 20(-3.8,1.8) 21(-3.8,1.4) 22(-3.8,1) 23(-3.8,0.6) 24(-3.8,0.2) 25(-3.8,-0.2) 26(-3.8,-0.6) 27(-3.8,-1) 28(-3.8,-1.4) 29(-3.8,-1.8) 30(-3.8,-2.2) 31(-3.8,-2.6) 32(-3.8,-3) 49(3.8,-3) 50(3.8,-2.6) 51(3.8,-2.2) 52(3.8,-1.8) 53(3.8,-1.4) 54(3.8,-1) 55(3.8,-0.6) 56(3.8,-0.2) 57(3.8,0.2) 58(3.8,0.6) 59(3.8,1) 60(3.8,1.4) 61(3.8,1.8) 62(3.8,2.2) 63(3.8,2.6) 64(3.8,3)
  rrect5% 6x6 smd paste-6 mask+0: 65(0,0)
  silkscreen extent -3.8,-3.8 3.8,4.36, body extent -3.75,-3.75 3.75,3.75, height 0.8